# Altium PCB LimeSDR-Micro_1v2.PcbDoc (part 6 of 9) (continued)
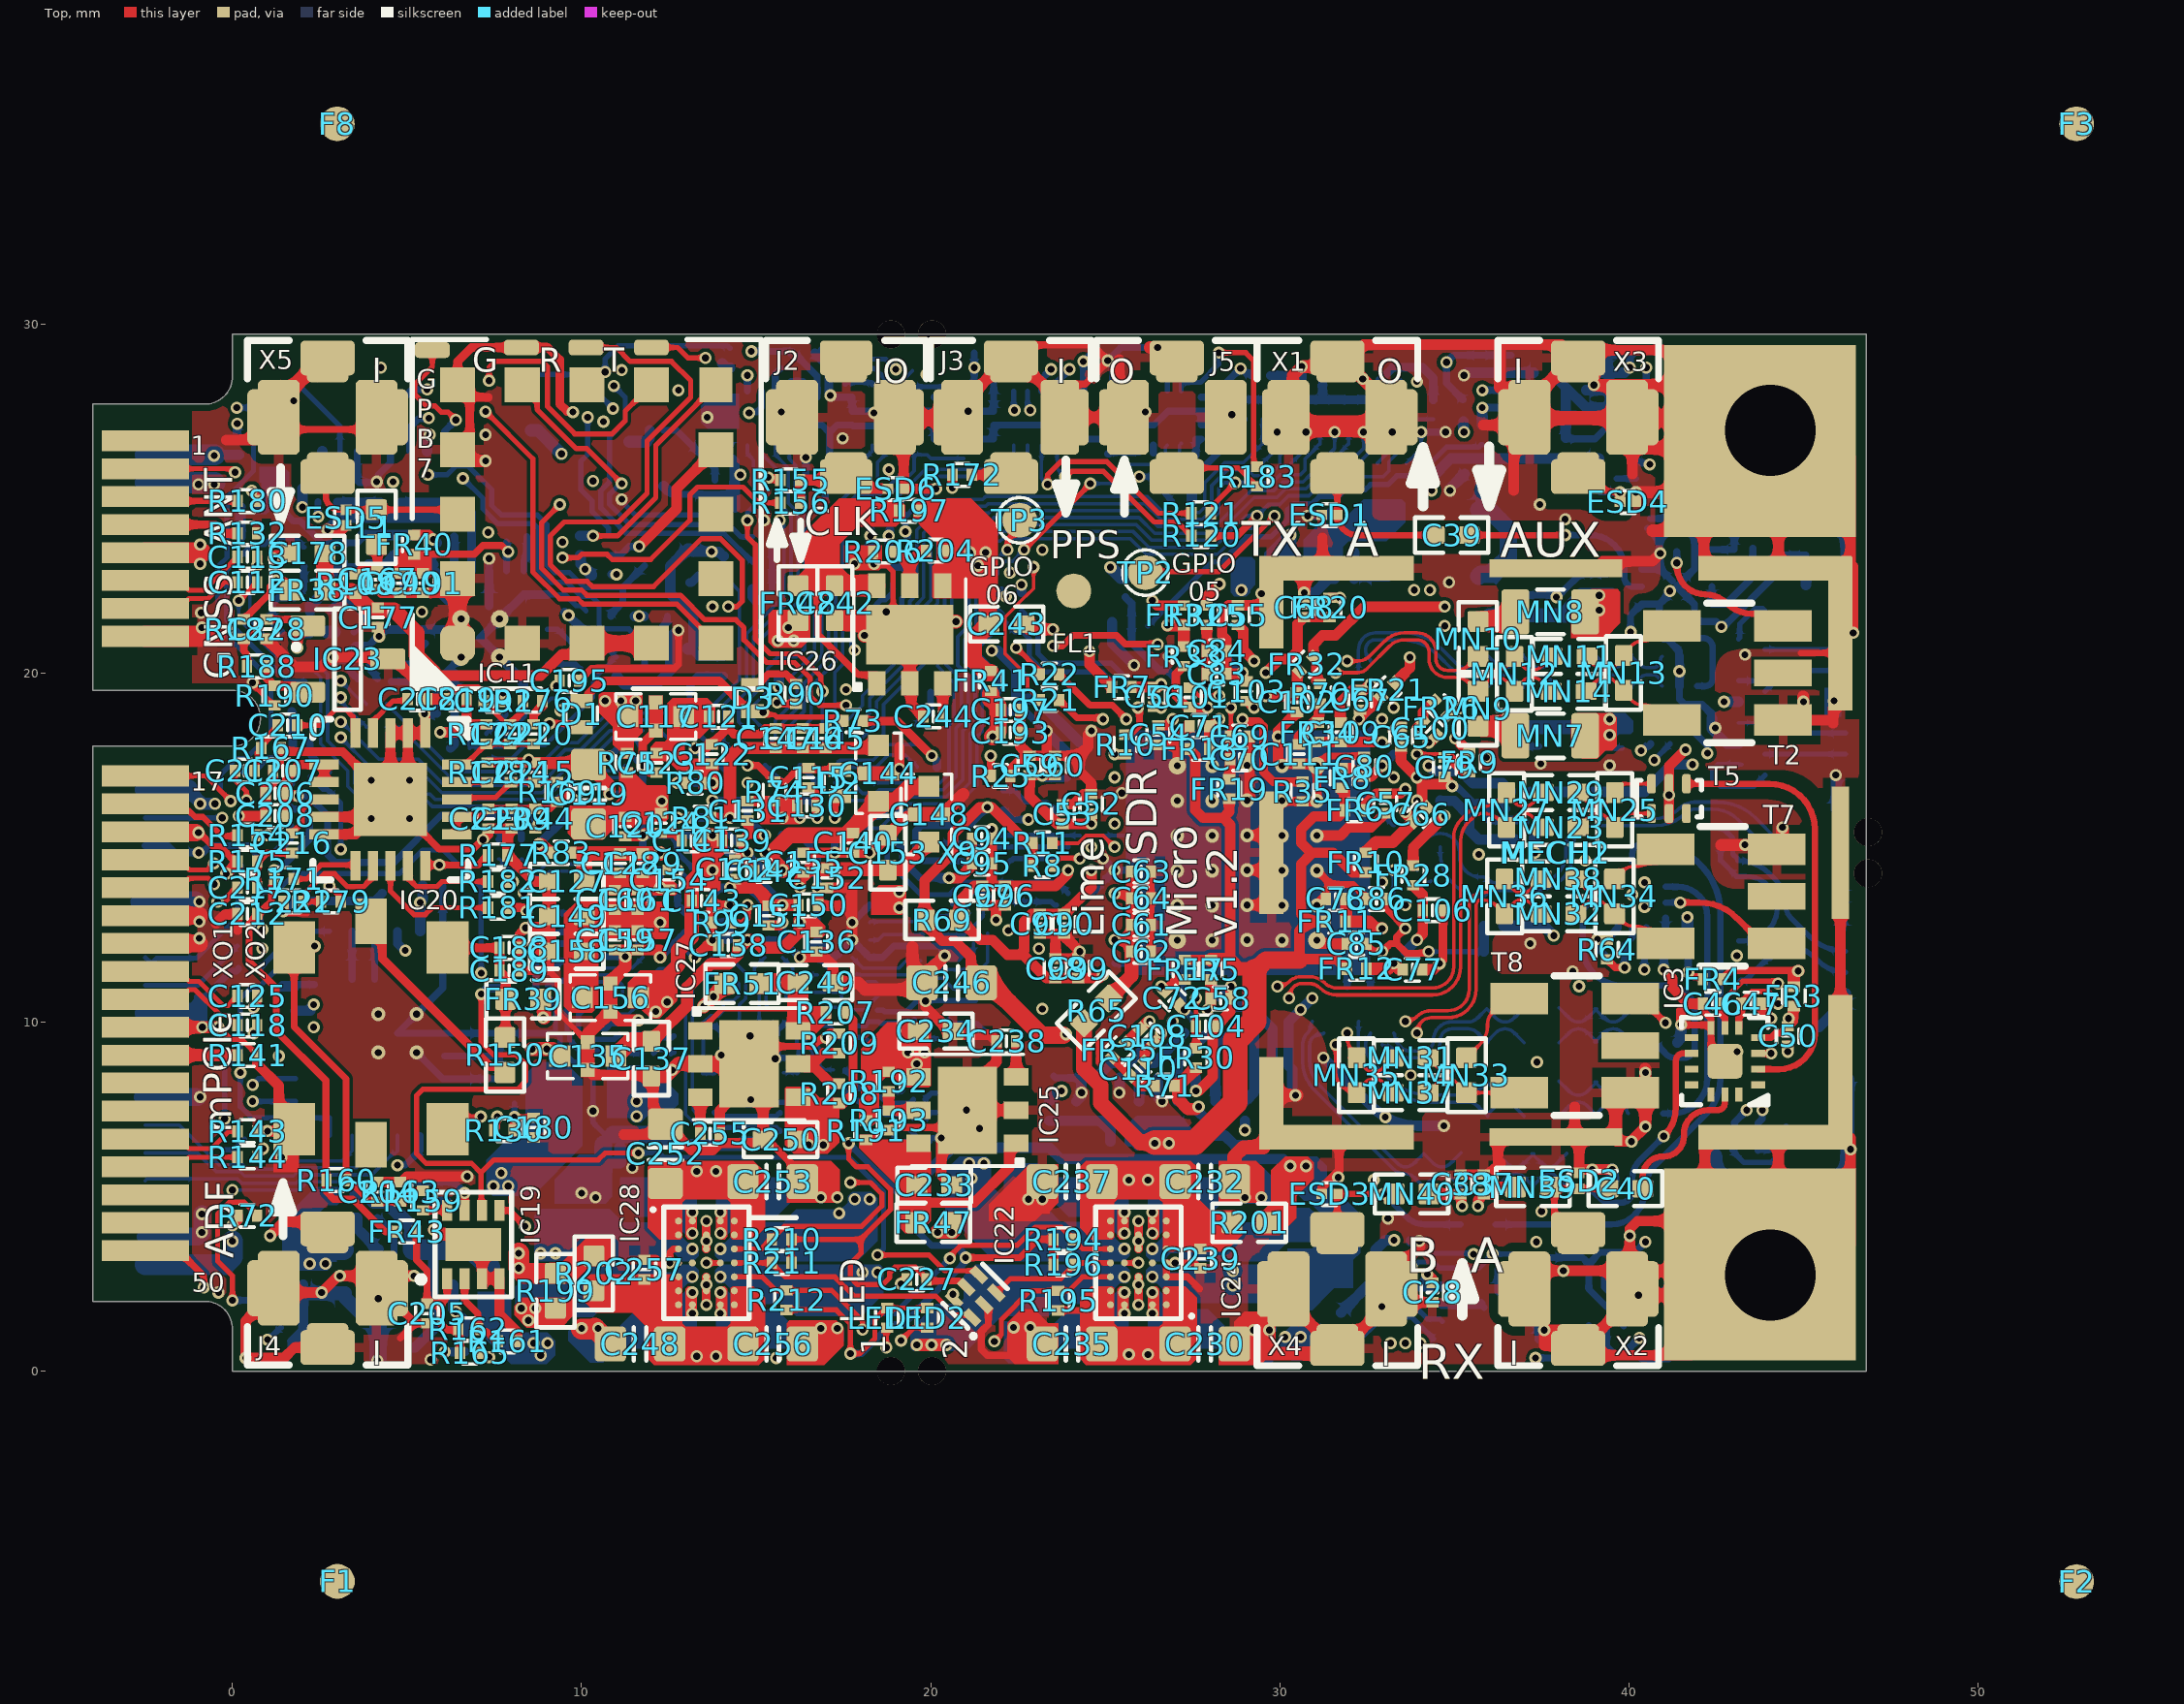
[diagram p0: Top view]
## Nets (pads, with @x,y where several pads share a name; then routed paths per layer and width w, separated by ;. In a path a pad name is that pad's centre, name@x,y a point inside that pad or via, vN(x,y) a via of type N, cw(c..) or ccw(c..) an arc to the next point about the centre after c; other vN are vias at no path point) (continued)
  Bottom w0.25: C182.1@3.005,24.9 C183.1@4.245,24.9
NetC182_2: C182.2 IC17.4 R148.2 | length 13.3
  L3 w0.2: v1@2.425,24.425 2.25,24.25 2.25,23.825 3.6,22.475 3.6,17.75 3.1,17.25 v1(3.1,14.95)
  Bottom w0.15: IC17.4@2.225,17.037 2.225,16.9 2.275,16.85 2.412,16.85 2.593,16.67 2.7,16.67 R148.2@2.775,16.595 2.8,16.595 2.875,16.52 2.875,16.495 3.1,16.27 v1(3.1,14.95)
  Bottom w0.2: C182.2@2.445,24.9 2.448,24.897 2.448,24.478 v1(2.45,24.475)
NetC183_2: C183.2 IC16.21 | length 3.8
  Bottom w0.25: C183.2@4.805,24.9 6.54,24.9 6.85,24.59 IC16.21@6.85,22.925
NetC184_2: C184.2 IC16.20 | length 1
  Bottom w0.25: C184.2@6.347,23.89 6.35,23.887 IC16.20@6.35,22.925
NetC188_1: C188.1 C189.1 FR39.1 R150.2 XO1.5 XO2.4 | length 4.3
  Top w0.25: XO1.5@6.164,12.135 6.164,12.225 6.264,12.125 C188.1@7.65,12.125 7.65,11.48 C189.1@7.645,11.475 7.825,11.295 FR39.1@7.825,10.65 7.823,10.648 R150.2@7.823,9.547
NetC202_1: C202.1 IC19.7 R164.1 R165.1 R166.1 | length 7.7
  Top w0.2: IC19.7@6.65,4.6 v1(6.65,5.1) ; R165.1@7.08,0.525 7.13,0.475 7.275,0.475 v1(7.35,0.4)
  L4 w0.15: v1(6.65,5.1) 6.65,3.225 7.35,2.525 v1(7.35,0.4)
  Bottom w0.2: R164.1@4.905,5.425 6.325,5.425 v1(6.65,5.1)
NetC205_1: C205.1 FR43.2 IC19.1 R162.1 R165.2 | length 5.2
  Top w0.2: FR43.2@5.275,3.995 5.275,3.18 5.575,2.88 C205.1@5.575,1.93 5.955,1.93 ; IC19.1@6.15,2.65 6.15,2.125 5.955,1.93 ; R165.2@6.52,0.525 6.52,1.125 6.47,1.175 R162.1@6.47,1.2 6.45,1.18 6.145,1.18 5.955,1.37 5.955,1.93
NetC206_2: C206.2 C207.2 C208.2 FR44.2 IC20.6 IC20.7 | length 12.4
  Top w0.25: C207.2@1.725,17.2 1.9,17.375 IC20.6@2.625,17.375 IC20.7@2.625,16.875
  Top w0.3: C208.2@1.505,15.9 C206.2@1.505,16.525 ; C207.2@1.725,17.175 1.565,17.015 1.565,16.723 1.505,16.663 C206.2@1.505,16.55 C206.2@1.505,16.525 ; v1(1.875,16.475) 1.865,16.485 1.57,16.485 1.53,16.525 C206.2@1.505,16.525 ; FR44.2@8.675,15.545 8.7,15.545 8.7,15.586 8.775,15.661 v1(8.775,15.675)
  Bottom w0.2: v1(1.875,16.475) 2.175,16.475 2.725,15.925 2.725,14.795 2.945,14.575 4.625,14.575 5.975,15.925 8.539,15.925 8.775,15.689 v1(8.775,15.675)
NetC210_1: C210.1 C211.2 R167.1 | length 1.6
  Top w0.15: C211.2@0.705,17.2 0.705,17.71 0.82,17.825 R167.1@0.82,17.85 0.895,17.925 0.895,17.97 1.1,18.175 1.1,18.305 1.195,18.4 1.22,18.4 1.295,18.475 C210.1@1.295,18.5
NetC210_2: C210.2 IC20.5 | length 2.4
  Top w0.15: C210.2@1.855,18.5 2.505,18.5 2.955,18.95 3.25,18.95 3.45,18.75 3.45,18.35 IC20.5@3.525,18.275 IC20.5@3.475,18.225
NetC214_1: C214.1 C215.2 IC20.18 R169.1 | length 3.1
  Top w0.15: IC20.18@6.425,16.375 6.48,16.43 7.535,16.43 7.875,16.77 7.875,16.795 7.95,16.87 C214.1@7.975,16.87 C215.2@8.65,16.87 R169.1@9.3,16.87
NetC216_1: C216.1 IC20.8 | length 1.6
  Top w0.15: C216.1@1.7,15.405 1.725,15.405 1.8,15.48 1.8,15.505 2,15.705 2,16.075 2.3,16.375 IC20.8@2.625,16.375
NetC216_2: C216.2 C217.1 R175.2 | length 1.8
  Top w0.2: C217.1@0.705,13.85 0.705,14.575 0.975,14.845 C216.2@1.7,14.845
NetC218_2: C218.2 IC20.4 | length 1.6
  Top w0.15: IC20.4@4.025,18.275 4.025,18.625 4.6,19.2 C218.2@5.02,19.2
NetC220_1: C220.1 R176.1 | length 0.8
  Top w0.25: C220.1@8.67,18.53 8.65,18.53 8.625,18.555 8.625,18.8 8.855,19.03 8.855,19.175 R176.1@8.88,19.2
NetC220_2: C220.2 C221.2 IC20.20 R174.2 | length 2.5
  Top w0.15: IC20.20@6.425,17.375 6.673,17.375 R174.2@7.284,17.986 ; R174.2@7.3,17.97 7.975,17.97 C220.2@8.65,17.97
NetC222_1: C222.1 IC20.12 R179.1 | length 3.6
  Top w0.15: R179.1@2.54,13.45 2.099,13.45 C222.1@2.025,13.45 2.099,13.524 2.099,13.719 2.63,14.25 2.925,14.25 3.3,13.875 3.747,13.875 3.95,14.078 3.95,14.125 4.025,14.2 IC20.12@4.025,14.475
NetC223_2: C223.2 FR45.2 IC21.1 IC21.6 R184.1 | length 8
  Bottom w0.3: IC21.6@5.025,3.575 IC21.6@5.125,3.475 ; IC21.1@5.125,0.675 5.229,0.675 5.75,1.196 5.75,3.225
  Bottom w0.4: R184.1@3.55,5.05 3.85,5.05 4.05,4.85 4.403,4.85 5.125,4.128 IC21.6@5.125,3.475
  Bottom w0.6: IC21.6@5.175,3.475 C223.2@6.325,3.475 6.875,3.475 FR45.2@7.375,2.975
NetC229_2: C229.2 IC21.3 | length 0.9
  Bottom w0.25: C229.2@2.28,0.625 IC21.3@3.225,0.625
NetC233_2: C233.2 FR47.2 IC25.1 IC25.6 R191.1 | length 5.4
  Top w0.3: 19.65,4.825 21.241,4.825 22.25,5.834 22.25,6.325 IC25.1@22.45,6.525
  Top w0.6: 19.65,4.825 IC25.6@19.65,6.45
NetC238_2: C238.2 IC25.3 | length 0.9
  Top w0.3: IC25.3@22.45,8.425 C238.2@22.45,9.37
NetC242_2: C242.2 FR48.2 IC26.1 IC26.6 R197.1 | length 6
  Top w0.2: 16.775,22.5 16.775,21.1 17.925,19.95 18.45,19.95 IC26.1@18.45,19.7
  Top w0.6: FR48.2@16.2,22.5 16.775,22.5 C242.2@17.25,22.5 IC26.6@18.4,22.5
NetC244_2: C244.2 IC26.3 | length 0.9
  Top w0.3: C244.2@20.35,18.755 IC26.3@20.35,19.7
NetC249_2: C249.2 FR51.2 IC27.1 IC27.6 R207.1 | length 5.1
  Top w0.15: IC27.1@13.4,9.75 14.025,10.375 16.05,10.375
  Top w0.6: FR51.2@15.1,11.1 C249.2@16.175,11.1 ; IC27.6@16.2,9.825 C249.2@16.2,10.95
NetC255_2: C255.2 IC27.3 | length 0.9
  Top w0.3: C255.2@13.4,6.905 IC27.3@13.4,7.85
NetFR36_2: FR36.2 IC11.9 | length 6.6
  Top w0.15: v1@10.3,23.925 v1(10.325,23.925) 11.025,23.925 12.125,25.025 12.125,26.525 13.425,27.825 13.45,27.825 13.85,28.225 IC11.9@13.85,28.25
  Bottom w0.3: FR36.2@9.95,23.93 v1@10.325,23.93
NetFR37_2: FR37.2 IC11.10 | length 4.7
  Top w0.3: v1(11.65,23.625) 12.725,24.7 12.725,25.275 IC11.10@13.85,26.4
  Bottom w0.2: FR37.2@10.775,23.37 11.115,23.37 11.37,23.625 v1(11.65,23.625)
NetIC1_AA33: IC1.AA33 R7.2 | length 1.2
  Bottom w0.15: R7.2@22.85,14 23.636,14 23.938,13.697 IC1.AA33@23.938,13.68
NetIC1_D28: IC1.D28 R23.1 | length 4.8
  Bottom w0.11: IC1.D28@25.603,19.341 25.603,19.845
  Bottom w0.15: R23.1@22.6,21.77 22.625,21.77 22.7,21.695 22.7,21.505 23.075,21.13 23.075,20.554 23.354,20.275 25.171,20.275 25.371,20.075 25.374,20.075 25.603,19.845
NetIC1_F18: IC1.F18 R35.1 | length 3.2
  Top w0.25: v1(28.933,18.675) 28.961,18.675 29.028,18.608 29.389,18.608 29.535,18.462 29.535,17.165 29.82,16.88 R35.1@30.65,16.88
NetIC1_F28: IC1.F28 R22.1 | length 2.5
  Top w0.2: R22.1@23.68,19.957 24.562,19.075 25.204,19.075 v1(25.603,18.675)
NetIC1_F30: IC1.F30 R21.1 | length 1.5
  Top w0.2: R21.1@23.68,19.225 23.68,19.2 23.73,19.15 23.755,19.15 24.188,18.717 24.855,18.717 24.897,18.675 v1(24.937,18.675)
NetIC1_P34: IC1.P34 R24.1 | length 1.8
  Bottom w0.15: R24.1@22.075,16.63 22.395,16.63 22.725,16.3 23.317,16.3 IC1.P34@23.605,16.011
NetIC1_R29: IC1.R29 R24.2 | length 3.6
  L4 w0.2: v1(22.8,15.8) 24.1,15.8 24.425,16.125 24.824,16.125 v1(25.27,15.678)
  Bottom w0.2: R24.2@22.075,16.07 22.1,16.07 22.15,16.02 22.15,15.995 22.345,15.8 v1(22.8,15.8)
NetIC1_U31: IC1.U31 R25.2 | length 7.7
  Top w0.15: v1@24.587,15.029 v1(24.604,15.012)
  Top w0.2: R25.2@21.72,17.05 v1(21.72,17.625)
  L4 w0.3: v1(21.72,17.625) 20.5,16.405 20.5,15.525 21.1,14.925 22.2,14.925 22.375,15.1 24.091,15.1 24.095,15.104 24.448,15.104 24.452,15.1 24.517,15.1 v1(24.604,15.012)
NetIC1_V32: IC1.V32 R8.2 | length 0.9
  Top w0.15: R8.2@23.48,14.475 23.48,14.5 23.555,14.575 23.58,14.575 23.701,14.696 24.083,14.696 24.1,14.679 v1(24.271,14.679) v1@24.254,14.696
NetIC6_E8: IC6.E8 R99.1 | length 0.9
  Top w0.2: R99.1@14.28,12.85 14.305,12.825 14.6,12.825 14.751,12.976 v1(14.751,13.35)
NetIC6_K4: IC6.K4 R81.1 | length 0.4
  Top w0.2: v1(12.751,15.85) R81.1@13.145,15.85
NetIC6_M4: IC6.M4 R80.1 | length 0.2
  Top w0.35: v1(12.751,16.85) R80.1@12.946,16.85
NetIC6_M13: IC6.M13 R87.1 | length 2.9
  Bottom w0.1: IC6.M13@17.251,16.85 17.701,17.3 18.433,17.3 18.783,17.65 19.27,17.65 19.495,17.425 19.52,17.425 19.62,17.325 R87.1@19.62,17.3
NetIC6_N13: IC6.N13 R79.2 | length 2.6
  Bottom w0.1: IC6.N13@17.251,17.35 17.26,17.35 17.41,17.5 18.35,17.5 18.8,17.95 R79.2@19.62,17.95
NetIC6_R12: IC6.R12 R76.2 | length 7.9
  Top w0.15: v1(14.75,24.37) 14.75,23.9 14.975,23.675 14.975,20.979 15.404,20.55 16.206,20.55 16.851,19.905 v1@16.851,19.475
  Bottom w0.1: IC6.R12@16.751,18.35 16.901,18.5 v1(16.901,19.475)
  Bottom w0.15: v1(14.75,24.37) 14.75,24.595 R76.2@14.925,24.77
NetIC7_5: IC7.5 R78.1 R84.2 R85.1 | length 40.3
  L6 w0.1: v2(2.175,19.75) 2.6,19.325 2.615,19.325 2.965,18.975 3.235,18.975 3.46,19.2 6.784,19.2 7.7,18.284 7.7,16.3 6.85,15.45 6.85,15.09 7.505,14.435 7.505,13.628 7.8,13.333 7.8,12.075 9.1,10.775 9.37,10.775 10.875,12.28 10.875,13.325 11.525,13.975 11.525,14.584 12.416,15.475 12.9,15.475 13.375,15.95 13.811,15.95 14.036,16.175 14.401,16.175 14.476,16.1 15.152,16.1 15.527,16.475 17.125,16.475 v2(18.75,14.85)
  Bottom w0.15: R78.1@2.05,23.605 2.025,23.605 1.95,23.68 1.95,23.705 1.787,23.868 1.182,23.868 IC7.5@1.15,23.9 0.933,23.683 0.575,23.683 0.231,23.339 0.223,23.339 -0.175,22.94 -0.175,21.525 1.6,19.75 v2@2.075,19.75 ; v2(18.75,14.85) 18.75,14.625 19.725,13.65 20.545,13.65 20.895,14 R84.2@22.328,14
NetIC16_3: IC16.3 R151.1 | length 1.1
  Bottom w0.15: IC16.3@9.025,21.25 9.315,21.25 R151.1@9.87,20.695
NetIC16_5: IC16.5 R153.1 | length 1
  Bottom w0.15: IC16.5@9.025,20.25 9.83,20.25 9.95,20.13 R153.1@9.975,20.13
NetIC16_24: IC16.24 R149.1 | length 1
  Bottom w0.2: IC16.24@8.35,22.925 8.35,23.236 8.373,23.26 8.397,23.26 8.43,23.292 R149.1@8.43,23.9
NetIC19_2: IC19.2 R161.2 R162.2 | length 2.3
  Top w0.2: IC19.2@6.65,2.65 6.65,2.025 7.03,1.645 R162.2@7.03,1.2 7.03,1.175 7.08,1.125 7.295,1.125 7.545,0.875 R161.2@7.545,0.85
NetIC19_8: IC19.8 R159.1 | length 0.7
  Top w0.2: R159.1@5.455,4.605 6.145,4.605 IC19.8@6.15,4.6
NetIC20_11: IC20.11 R171.2 | length 2
  Top w0.15: R171.2@1.755,14.1 2.125,14.1 2.525,14.5 3.55,14.5 IC20.11@3.525,14.475
NetIC20_13: IC20.13 R181.1 | length 3.9
  Top w0.15: IC20.13@4.525,14.475 4.525,13.75 5.2,13.075 5.52,13.075 5.72,13.275 R181.1@7.32,13.275
NetIC20_14: IC20.14 R182.1 | length 2.8
  Top w0.15: IC20.14@5.025,14.475 5.072,14.428 5.072,14.078 5.275,13.875 5.85,13.875 6,14.025 R182.1@7.32,14.025
NetIC20_19: IC20.19 R178.1 | length 0.9
  Top w0.15: IC20.19@6.425,16.875 7.295,16.875 R178.1@7.3,16.87
NetIC21_5: IC21.5 R186.2 R189.1 | length 1.9
  Bottom w0.3: R186.2@2.904,4.392 3.577,4.392 3.577,4.075 3.579,4.075 3.725,3.929 3.725,3.925 IC21.5@4.175,3.475 IC21.5@4.185,3.485
NetIC23_2: IC23.2 R188.2 R190.1 | length 1.7
  Top w0.25: R188.2@0.975,20.187 0.986,20.176 0.986,19.844 1.15,19.68 1.15,19.655 1.175,19.63 R190.1@1.2,19.63 1.77,19.63 1.95,19.45 IC23.2@2.15,19.45
NetIC24_A2: IC24.A2 IC24.B2 L3.1
  other v1: 26.35,1.65 26.35,2.25
NetIC24_A4: IC24.A4 IC24.B4 L2.1
  other v1: 25.55,1.65 25.55,2.25
NetIC24_F2: IC24.F2 IC24.G2 L5.1
  other v1: 26.35,3.95 26.35,4.55
NetIC24_F4: IC24.F4 IC24.G4 L4.1
  other v1: 25.55,3.95 25.55,4.55
NetIC25_5: IC25.5 R192.2 R193.1 | length 1.4
  Top w0.3: R192.2@18.8,8.015 R193.1@18.8,7.465 IC25.5@19.64,7.465 ; IC25.5@19.64,7.465 IC25.5@19.65,7.475
NetIC26_5: IC26.5 R204.2 R206.1 | length 1.9
  Top w0.3: R206.1@18.915,23.5 19.015,23.5 19.39,23.124 ; IC26.5@19.4,22.5 19.39,22.51 19.39,23.124 ; R204.2@19.865,23.525 19.791,23.525 19.39,23.124
NetIC27_5: IC27.5 R208.2 R209.1 | length 2.7
  Top w0.3: R208.2@17.375,8.235 17.14,8.235 16.675,8.7 16.4,8.7 16.3,8.8 IC27.5@16.2,8.8 16.3,8.9 16.728,8.9 16.938,9.11 R209.1@17.375,9.11
NetIC28_A2: IC28.A2 IC28.B2 L7.1
  other v1: 13.175,3.95 13.175,4.55
NetIC28_A4: IC28.A4 IC28.B4 L6.1
  other v1: 13.975,3.95 13.975,4.55
NetIC28_C5: IC28.C5 IC28.D3 IC28.D4 R210.2 | length 11.6
  Top w0.15: v1(13.575,3.1) IC28.D4@13.975,3.1 ; IC28.C5@14.375,3.5 15.15,3.5 15.325,3.675 15.375,3.675 15.45,3.75 R210.2@15.45,3.775 15.45,3.8 15.525,3.875 15.538,3.875 15.813,4.15 18.021,4.15 18.6,4.729 18.6,5.075 18.272,5.403 v1(17.703,5.403)
  L6 w0.1: v1(13.575,3.1) 14.225,3.1 16.528,5.403 v1(17.703,5.403)
NetIC28_F2: IC28.F2 IC28.G2 L9.1
  other v1: 13.175,1.65 13.175,2.25
NetIC28_F4: IC28.F4 IC28.G4 L8.1
  other v1: 13.975,1.65 13.975,2.25
NetIC29_4: IC29.4 R213.2 R214.1 | length 1.7
  Bottom w0.3: R214.1@32.13,22.7 R214.1@32.13,22.725 ; R213.2@32.13,23.45 R214.1@32.13,22.725 ; IC29.4@33.1,22.775 32.205,22.775 32.155,22.725 R214.1@32.13,22.725
NetJ1_6: J1.6 R90.1 | length 11.8
  Top w0.2: v1(15.6,19.15) 15.641,19.15 15.671,19.12 R90.1@16.15,19.12
  L6 w0.1: v1(12.775,28.1) 12.5,27.825 12.5,23.075 12.35,22.925 12.35,21.075 14.05,19.375 15.375,19.375 v1(15.6,19.15)
NetLED1_K: LED1.K R135.1 | length 34
  Top w0.15: v1(18.725,0.675) LED1.K@18.725,1.195
  L3 w0.1: v1(18.725,0.675) v1@18.738,0.688
  L6 w0.1: v1(18.725,0.675) 18.725,1.025 19.05,1.35 21.058,1.35 21.283,1.575 23.783,1.575 24.358,1 26.575,1 27.1,0.475 35.275,0.475 37,2.2 38.075,2.2 38.6,2.725 38.6,4.75 38.425,4.925 38.425,5.992 40.033,7.6 41.65,7.6 42.4,6.85 44.35,6.85 v2(44.5,7)
  Bottom w0.2: R135.1@43.7,6.32 43.727,6.347 44.022,6.347 44.5,6.825 v2(44.5,7)
NetLED2_K: LED2.K R142.1 | length 35.5
  Top w0.15: v1(19.15,0.875) 19.52,1.245 LED2.K@19.9,1.245
  L6 w0.1: v1(19.15,0.875) 19.4,1.125 20.55,1.125 21.325,0.35 24.8,0.35 25.25,0.8 26.492,0.8 27.017,0.275 35.358,0.275 37.083,2 38.158,2 38.8,2.642 38.8,4.833 38.625,5.008 38.625,5.91 40.115,7.4 41.567,7.4 42.392,6.575 v2(45.025,6.575)
  Bottom w0.15: R142.1@42.95,6.325 42.975,6.325 43.05,6.25 43.05,6.225 43.3,5.975 44.075,5.975 44.675,6.575 v2(45.025,6.575)
NetMN7_1: MN7.1 MN9.2 | length 1.2
  Top w0.6: MN9.2@35.675,18.475 36.475,18.475 MN7.1@36.75,18.2
NetMN8_1: MN8.1 MN10.2 | length 1.2
  Top w0.6: MN10.2@35.675,21.475 36.475,21.475 MN8.1@36.75,21.75
NetR2_2: R2.2 R3.2 R4.2 | length 0.6
  Bottom w0.15: R2.2@13.815,9.9 14,9.715 ; R3.2@14,9.59 14,9.715 ; R4.2@14.185,9.9 14,9.715
NetR16_2: R16.2 R17.2 R18.2 | length 0.7
  Bottom w0.15: R18.2@15.415,9.975 15.625,9.765 ; R17.2@15.625,9.64 15.625,9.765 ; R16.2@15.835,9.975 15.625,9.765
NetR79_1: R79.1 TP1.1 | length 1.1
  Bottom w0.2: R79.1@19.62,18.51 20,18.89 TP1.1@20,19.45
NetR134_1: R134.1 R140.1 X9.30 | length 4
  Bottom w0.14: X9.30@-2.5,11.85 -2.325,11.675 -2.175,11.825 -1.037,11.825 0.17,13.032 R140.1@0.17,13.75
NetR137_1: R137.1 X9.32 | length 3.1
  Bottom w0.14: X9.32@-2.5,11.05 -0.986,11.05 R137.1@0.145,12.181
NetR141_2: R141.2 X9.37 | length 2.6
  Top w0.35: X9.37@-2.55,9.05 R141.2@0.069,9.05
NetR143_2: R143.2 X9.43 | length 3
  Top w0.14: X9.43@-2.5,6.65 -2.325,6.475 -1.35,6.475 -1.245,6.37 -0.605,6.37 -0.103,6.872 R143.2@0.145,6.872
NetR144_2: R144.2 X9.45 | length 2.8
  Top w0.14: X9.45@-2.5,5.85 -2.325,6.025 -1.35,6.025 -1.245,6.13 0.068,6.13 R144.2@0.145,6.053
NetR150_1: R150.1 XO1.6 | length 6.1
  Top w0.25: XO1.6@3.964,12.885 4.289,12.56 4.289,11.822 7.387,8.725 7.646,8.725 R150.1@7.823,8.548
NetR172_1: R172.1 R173.1 | length 8.5
  Top w0.25: v1(20.62,25.305) R172.1@20.62,25.675 R172.1@20.635,25.66
  L6 w0.1: v2(15,22.075) 15.4,22.475 18.966,22.475 20.62,24.129 v1(20.62,25.305) v1@20.62,25.405
  Bottom w0.3: R173.1@14.9,22.4 14.9,22.189 15,22.089 v2(15,22.075)
PCIE_CLK_IN: R154.1 X9.19 | length 3
  Top w0.18: X9.19@-2.5,16.25 -2.29,16.04 -1.24,16.04 -1.075,15.875 -0.85,15.875 -0.297,15.322 R154.1@0.142,15.322
PCIE_CLK_OUT: IC18.4 R134.2 R157.2 | length 37.5
  L3 w0.1: v1(0.855,12.65) 0.35,13.155 0.35,15.325 1.35,16.325 1.35,16.875 1.525,17.05 1.525,20.15 1.175,20.5 1.175,20.925 1.65,21.4 1.65,23.325 1.025,23.95 1.025,25.725 2.975,27.675 5.675,27.675 5.9,27.9 7.525,27.9 7.7,27.725 7.7,27.275 10.35,24.625 11,24.625 11.492,24.625 13.342,26.475 15.633,26.475 16.783,25.325 17.4,25.325 v1(18.8,23.925)
  Bottom w0.2: R134.2@0.73,13.1 0.78,13.05 0.78,12.766 0.855,12.691 v1(0.855,12.65)
  Bottom w0.25: 18.8,23.65 v1(18.8,23.925) 18.83,23.955 R157.2@18.83,24.1
PCIE_PER0_N: C116.1 X9.23 | length 10.5
  Top w0.14: X9.23@-2.5,14.65 -2.325,14.475 -1.35,14.475 -1.231,14.355 -0.72,14.355 v1(-0.525,14.55)
  L4 w0.1: v1(-0.525,14.55) -0.35,14.725 0.25,14.725 0.55,15.025 0.55,15.533 0.7,15.683 0.7,15.875 2.504,17.679 2.504,19.554 2.725,19.775 v1(3.1,19.775)
  Bottom w0.1: v1(3.1,19.775) 3.65,19.225 3.734,19.225 3.834,19.125 C116.1@3.834,19.1
PCIE_PER0_P: C114.1 X9.25 | length 10.6
  Top w0.14: X9.25@-2.5,13.85 -2.325,14.025 -1.35,14.025 -1.26,14.115 -0.69,14.115 v1(-0.525,13.95)
  L4 w0.1: v1(-0.525,13.95) -0.5,13.925 -0.04,13.925 0.15,14.115 0.15,14.25 0.925,15.025 1.135,15.025 1.325,15.215 1.325,15.425 2.704,16.804 2.704,18.904 v1(3.1,19.3)
  Bottom w0.1: v1(3.1,19.3) 3.148,19.252 3.148,19.136 3.709,18.575 3.734,18.575 3.834,18.475 C114.1@3.834,18.45
  Bottom w0.25: v1(3.1,19.3) v1@3.112,19.312
PCIE_PERST#: D1.C R72.2 R133.2 R205.1 X9.22 | length 53.7
  Top w0.15: v1(0,2.026) 0,2.725 -0.425,3.15 -0.425,4.5 -0.089,4.836 0.331,4.836 0.617,4.55 0.63,4.55 0.705,4.475 R72.2@0.705,4.45
  Top w0.2: v1@9.1,18.55 v1(9.075,18.55) D1.C@9.975,18.55
  L6 w0.1: v1(0,2.026) 0,2.35 -1.775,4.125 -1.775,14.045 v1(-0.97,14.85) -1.625,15.505 -1.625,16.583 -1.083,17.125 -0.325,17.125 0.025,17.475 0.542,17.475 1.175,18.108 1.175,22.145 0.38,22.94 0.38,23.555 0.875,24.05 0.875,25.525 1.375,26.025 6.775,26.025 8.7,24.1 9.575,24.1 9.8,23.875 9.8,23.14 9.725,23.065 9.725,22.7 10.05,22.375 10.05,19.8 9.55,19.3 9.315,19.3 9.075,19.06 v1(9.075,18.55)
  Bottom w0.2: X9.22@-2.5,15.05 -1.845,15.05 -1.645,14.85 v1(-0.97,14.85) -0.845,14.85 -0.645,15.05 0.45,15.05 0.729,14.771 R133.2@0.729,14.467 ; v1(0,2.026) 1.179,2.026 R205.1@1.4,1.805
PCIE_PET0_N: C125.1 X9.31 | length 3.2
  Top w0.14: X9.31@-2.5,11.45 -2.325,11.275 -1.35,11.275 -1.245,11.17 -0.97,11.17 -0.275,10.475 -0.127,10.475 C125.1@0.145,10.747
PCIE_PET0_P: C118.1 X9.33 | length 3.2
  Top w0.14: X9.33@-2.5,10.65 -2.325,10.825 -1.35,10.825 -1.245,10.93 -1.08,10.93 -0.345,10.195 -0.147,10.195 C118.1@0.145,9.903
PCIE_PPS_IN: R168.1 X9.3 | length 23.9
  Top w0.14: X9.3@-2.5,25.85 -0.025,25.85 v1(0.075,25.75)
  L4 w0.1: v1(0.075,25.75) 0.625,25.75 2.9,28.025 4.858,28.025 5.383,28.55 5.85,28.55 6.025,28.375 6.883,28.375 7.233,28.025 7.5,28.025 7.7,28.225 v1(10.925,28.225)
  Bottom w0.15: v1(10.925,28.225) 11.25,27.9 11.25,27.225 10.8,26.775 10.8,25.475 10.55,25.225 10.55,24.726 10.901,24.375 10.904,24.375 11.11,24.169 11.11,24.165 11.275,24 14.075,24 R168.1@14.913,23.163
PCIE_PPS_OUT: R180.1 X9.5 | length 2.7
  Top w0.18: X9.5@-2.5,25.05 -2.375,24.925 R180.1@0.145,24.925
PCIE_REF_CLK_N: C113.1 X9.11 | length 3.2
  Top w0.14: X9.11@-2.5,22.65 -2.325,22.475 -1.35,22.475 -1.245,22.37 -0.81,22.37 0.04,23.22 0.065,23.22 0.145,23.3 C113.1@0.145,23.325
PCIE_REF_CLK_P: C112.1 X9.13 | length 3
  Top w0.14: X9.13@-2.5,21.85 -2.325,22.025 -1.35,22.025 -1.245,22.13 -0.695,22.13 -0.225,22.6 C112.1@0.145,22.6
PCIE_RX1_N: X9.47
PCIE_RX1_P: X9.49
PCIE_TX1_N: X9.39
PCIE_TX1_P: X9.41
PCIE_W_DISABLE2#: IC8.9 R147.1 X9.51 | length 51.3
  Top w0.2: X9.51@-2.5,3.45 -1.55,3.45 -0.825,2.725 v1(-0.825,2.4)
  L4 w0.1: v1(-0.825,2.4) -2.675,4.25 -2.675,16.758 -1.758,17.675 0.5,17.675 1.1,18.275 1.1,19.675 0.675,20.1 -1.308,20.1 -2.175,20.967 -2.175,25.975 -1.008,27.142 v1(0.134,27.142) 2.068,29.075 4.385,29.075 4.46,29 12.925,29 13.4,28.525 v1(14.75,28.525)
  Bottom w0.2: R147.1@0.134,26.858 R147.1@0.183,26.81 ; v1(0.134,27.142) v1@0.134,27.167 ; IC8.9@14.75,28.075 v1@14.75,28.55
  Bottom w0.25: R147.1@0.134,26.858 v1(0.134,27.142)
PCIE_W_DISABLE2#_LS: IC8.4 R76.1 | length 1.3
  Bottom w0.1: IC8.4@14.75,26.525 14.75,26.275 14.925,26.1 R76.1@14.925,25.33
R1_N: C125.2 IC6.R2 | length 20.6
  Top w0.25: v1(0.605,10.422) 0.705,10.522 C125.2@0.705,10.747
  L4 w0.1: v1(0.605,10.422) 0,11.027 0,13.042 0.858,13.9 1.209,13.9 1.775,14.466 1.775,14.753 2.075,15.053 2.075,15.609 3.104,16.638 3.104,16.962 3.45,17.308 3.45,18.267 3.25,18.467 3.25,18.475 v1@3.1,18.625
  Bottom w0.1: v1@3.125,18.6 4.2,17.525 5.325,17.525 6.075,16.775 8.784,16.775 9.609,17.6 10.058,17.6 10.808,18.35 IC6.R2@11.751,18.35
  other v1: 3.1,18.6
R1_P: C118.2 IC6.P2 | length 20.7
  Top w0.25: v1(0.605,9.678) 0.705,9.778 C118.2@0.705,9.903
  L4 w0.1: v1(0.605,9.678) -0.2,10.483 -0.2,13.125 0.425,13.75 0.425,14.04 1.06,14.675 1.414,14.675 1.875,15.136 1.875,15.692 2.904,16.721 2.904,17.045 3.1,17.241 v1(3.1,18.15)
  Bottom w0.1: v1(3.1,18.15) 3.925,17.325 5.242,17.325 5.992,16.575 8.867,16.575 9.692,17.4 10.14,17.4 10.89,18.15 11.451,18.15 IC6.P2@11.751,17.85
RX1_H: IC3.2 T5.1 | length 12.5
  Top w0.18: T5.1@41.65,16.825 44.025,16.825 cw(c44.025,15.525) 45.325,15.525 45.325,9.668 cw(c44.307,9.668) 44.307,8.65 IC3.2@43.702,8.65
RX1_H_A_N: IC1.AJ15 MN27.1 MN29.2 | length 12.8
  Top w0.1: v1(29.932,11.016) cw(c30.015,10.934) 30.015,11.05 ccw(c30.015,11.396) 30.26,11.151 cw(c30.618,10.793) 30.618,11.3 30.849,11.3 cw(c30.849,10.676) 31.291,11.117 ; 31.291,11.116 ccw(c31.633,11.458) 31.633,10.975 34.375,10.975 ccw(c34.375,11.581) 34.981,11.581 34.981,15.28 cw(c35.728,15.28) 35.2,15.808 35.38,15.988 ; 35.436,16.044 35.38,15.988 ; 35.834,16.175 ccw(c35.834,15.531) 35.38,15.988 ; 35.835,16.175 ccw(c35.835,16.81) 36.284,16.361 MN27.1@36.473,16.55 ; MN27.1@36.498,16.575 MN27.1@36.473,16.55 ; MN29.2@37.548,16.575 37.255,16.282 cw(c36.997,16.54) 36.998,16.175 cw(c36.999,16.54) 36.741,16.282 MN27.1@36.473,16.55
RX1_H_A_P: IC1.AK14 MN23.2 MN27.2 | length 12.6
  Top w0.1: v1(30.265,10.683) ccw(c30.183,10.765) 30.3,10.765 30.3,10.773 cw(c30.626,10.773) 30.395,11.004 cw(c30.626,10.773) 30.626,11.1 30.848,11.1 cw(c30.848,10.673) 31.151,10.974 ccw(c31.632,11.456) 31.632,10.775 34.375,10.775 ccw(c34.375,11.581) 35.181,11.581 35.181,15.197 cw(c35.928,15.197) 35.4,15.725 35.519,15.844 cw(c35.835,15.528) 35.835,15.975 cw(c35.835,15.34) 36.284,15.789 MN27.2@36.473,15.6 ; MN27.2@36.498,15.575 MN27.2@36.473,15.6 ; MN23.2@37.548,15.575 37.255,15.868 ccw(c36.997,15.61) 36.998,15.975 ccw(c36.999,15.61) 36.741,15.868 MN27.2@36.473,15.6
RX1_H_B_N: MN25.1 MN29.1 T5.3 | length 2.6
  Top w0.1: MN29.1@38.548,16.575 38.841,16.282 ccw(c39.099,16.54) 39.099,16.175 ; 39.097,16.175 ccw(c39.097,16.54) 39.355,16.282 MN25.1@39.623,16.55 ; MN25.1@39.598,16.575 cw(c39.848,16.575) 39.848,16.825 T5.3@40.65,16.825
RX1_H_B_P: MN23.1 MN25.2 T5.4 | length 2.5
  Top w0.1: MN23.1@38.548,15.575 38.841,15.868 cw(c39.099,15.61) 39.098,15.975 cw(c39.097,15.61) 39.355,15.868 MN25.2@39.601,15.622 ; MN25.2@39.598,15.575 cw(c39.998,15.575) MN25.2@39.601,15.622 ; MN25.2@39.623,15.6 MN25.2@39.601,15.622 ; MN25.2@39.726,15.622 cw(c40.123,15.575) 40.123,15.975 T5.4@40.65,15.975
RX1_L: IC3.9 T3.2 | length 6.3
  Top w0.18: v1(41,6.725) ccw(c40.155,7.57) 41.35,7.57 41.35,8.9 cw(c41.55,8.9) 41.55,9.1 IC3.9@41.797,9.1
  Bottom w0.18: T3.2@38.875,5.26 39.211,4.924 ccw(c39.45,5.163) 39.45,4.825 39.775,4.825 ccw(c39.775,5.15) 40.1,5.15 40.1,5.513 cw(c40.854,5.513) 40.321,6.046 v1(41,6.725)
RX1_L_A_N: IC1.AM12 MN19.1 MN21.2 | length 7.7
  Bottom w0.1: IC1.AM12@30.932,10.017 ccw(c31.014,9.935) 30.897,9.935 cw(c30.551,9.935) 30.796,9.69 ccw(c31.137,9.349) 30.655,9.349 30.655,8.868 ccw(c31.817,8.868) 30.995,8.047 ; 31.021,8.021 33.101,5.941 33.243,5.8 ccw(c33.595,6.152) 33.595,5.653 33.596,5.653 cw(c33.596,5.289) 33.854,5.547 MN19.1@34.122,5.279 ; MN19.1@34.147,5.253 MN19.1@34.122,5.279 ; MN21.2@35.197,5.253 34.904,5.547 ccw(c34.647,5.289) 34.647,5.653 ccw(c34.648,5.289) 34.391,5.547 MN19.1@34.122,5.279
RX1_L_A_P: IC1.AN11 MN16.2 MN19.2 | length 7.3
  Bottom w0.1: IC1.AN11@31.265,9.684 cw(c31.182,9.766) 31.182,9.65 31.172,9.65 ccw(c31.172,9.328) 30.944,9.556 ccw(c31.16,9.34) 30.855,9.34 30.855,8.905 ccw(c31.905,8.905) 31.162,8.163 31.221,8.104 33.301,6.024 33.383,5.942 ccw(c33.596,6.155) 33.596,5.854 ccw(c33.596,6.218) 33.854,5.96 34.122,6.228 34.391,5.96 ccw(c34.648,6.218) 34.647,5.854 ccw(c34.647,6.218) 34.904,5.96 MN16.2@35.197,6.253
RX1_L_B_N: MN17.1 MN21.1 T3.3 | length 2.7
  Bottom w0.1: MN21.1@36.197,5.253 36.491,5.547 cw(c36.748,5.289) 36.748,5.653 ; 36.747,5.653 cw(c36.747,5.289) 37.004,5.547 MN17.1@37.272,5.279 ; MN17.1@37.223,5.279 37.491,5.547 cw(c37.748,5.289) 37.748,5.653 cw(c37.748,5.436) 37.902,5.59 T3.3@38.225,5.267
RX1_L_B_P: MN16.1 MN17.2 T3.4 | length 2.7
  Bottom w0.1: MN16.1@36.197,6.253 36.491,5.96 ccw(c36.748,6.218) 36.747,5.854 ccw(c36.747,6.218) 37.004,5.96 MN17.2@37.272,6.228 ; MN17.2@37.223,6.228 37.247,6.204 37.491,5.96 ccw(c37.748,6.218) 37.748,5.854 ccw(c37.748,6.071) 37.902,5.917 T3.4@38.225,6.24
RX1_W: IC3.3 T8.1 | length 5
  Top w0.18: T8.1@40.04,10.67 T8.1@40.305,10.67 ; T8.1@40.33,10.695 v1(41.05,9.975) ; IC3.3@43.702,9.1 v1(44.075,9.1)
  L6 w0.1: v1@41.025,9.95 ccw(c41.085,9.95) 41.043,9.907 41.25,9.7 ccw(c41.612,10.062) 41.612,9.55 43.039,9.55 cw(c43.039,9.1) 43.357,9.418 43.392,9.383 ccw(c44.075,10.066) v1(44.075,9.1)
RX1_W_A_N: IC1.AP10 MN35.1 MN37.2 | length 3
  Top w0.1: v1(31.598,9.351) 31.598,8.577 ccw(c32.175,8.577) 32.175,8 32.443,8.268 cw(c32.701,8.01) 32.701,8.375 ; 32.699,8.375 cw(c32.699,8.01) 32.957,8.268 MN37.2@33.25,7.975
RX1_W_A_P: IC1.AN9 MN31.2 MN35.2 | length 2.4
  Top w0.1: v1(31.931,9.684) 31.931,9.626 ccw(c32.851,9.626) MN35.2@32.2,8.975 MN35.2@31.995,8.975 ; MN35.2@32.175,8.95 32.443,8.682 ccw(c32.701,8.94) 32.701,8.575 ; 32.699,8.575 ccw(c32.699,8.94) 32.957,8.682 MN31.2@33.25,8.975
RX1_W_B_N: MN33.1 MN37.1 T8.4 | length 2.9
  Top w0.1: MN37.1@34.25,7.975 34.543,8.268 cw(c34.801,8.01) 34.801,8.375 ; 34.799,8.375 cw(c34.799,8.01) 35.057,8.268 MN33.1@35.325,8 ; MN33.1@35.35,7.975 T8.4@36.86,7.975
RX1_W_B_P: MN31.1 MN33.2 T8.6 | length 3.8
  Top w0.1: MN31.1@34.25,8.975 34.543,8.682 ccw(c34.801,8.94) 34.801,8.575 ; 34.799,8.575 ccw(c34.799,8.94) 35.057,8.682 MN33.2@35.325,8.95 ; MN33.2@35.35,8.975 35.72,9.345 ccw(c35.165,9.9) 35.95,9.9 ; 35.95,9.934 cw(c36.411,9.934) 36.085,10.26 36.085,10.27 36.227,10.412 36.237,10.412 cw(c36.86,9.789) T8.6@36.86,10.67
RX2_H: IC4.2 T6.1 | length 8.2
  Bottom w0.18: T6.1@40.983,7.38 41.244,7.38 ccw(c41.244,8.386) 42.25,8.386 42.25,13.029 ccw(c41.404,13.029) 41.404,13.875 IC4.2@41.053,13.875
RX2_H_A_N: IC1.AM8 MN28.1 MN30.2 | length 6.7
  Bottom w0.1: IC1.AM8@32.264,10.017 32.256,10.009 32.256,9.343 ccw(c33.175,9.343) 32.525,8.692 32.961,8.256 ccw(c34.293,9.589) 34.293,7.705 35.07,7.705 35.401,7.705 cw(c35.401,7.34) 35.659,7.598 MN28.1@35.927,7.33 ; MN28.1@35.952,7.305 MN28.1@35.927,7.33 ; MN30.2@37.002,7.305 36.709,7.598 ccw(c36.451,7.34) 36.452,7.704 ccw(c36.453,7.34) 36.196,7.598 MN28.1@35.927,7.33
RX2_H_A_P: IC1.AN7 MN24.2 MN28.2 | length 6
  Bottom w0.1: IC1.AN7@32.597,9.684 cw(c32.494,9.684) 32.566,9.611 ccw(c32.834,9.344) 32.456,9.344 ccw(c33.178,9.344) 32.667,8.833 33.1,8.4 ccw(c34.296,9.596) 34.296,7.905 35.07,7.905 ; 35.073,7.905 35.401,7.905 ccw(c35.401,8.269) 35.659,8.011 35.927,8.28 36.196,8.011 ccw(c36.453,8.269) 36.452,7.905 ccw(c36.451,8.269) 36.709,8.011 MN24.2@37.002,8.305